# Altium PCB 左手键盘1.PcbDoc (part 1 of 2)
Units mm, origin at the board's own origin, x right, y up, seen from the top; angles counter-clockwise.
Board outline 400.53 x 130.06 mm, 2 copper layers (Top Layer, Bottom Layer); 131 components, 148 nets, 1503 pads, 606 vias.
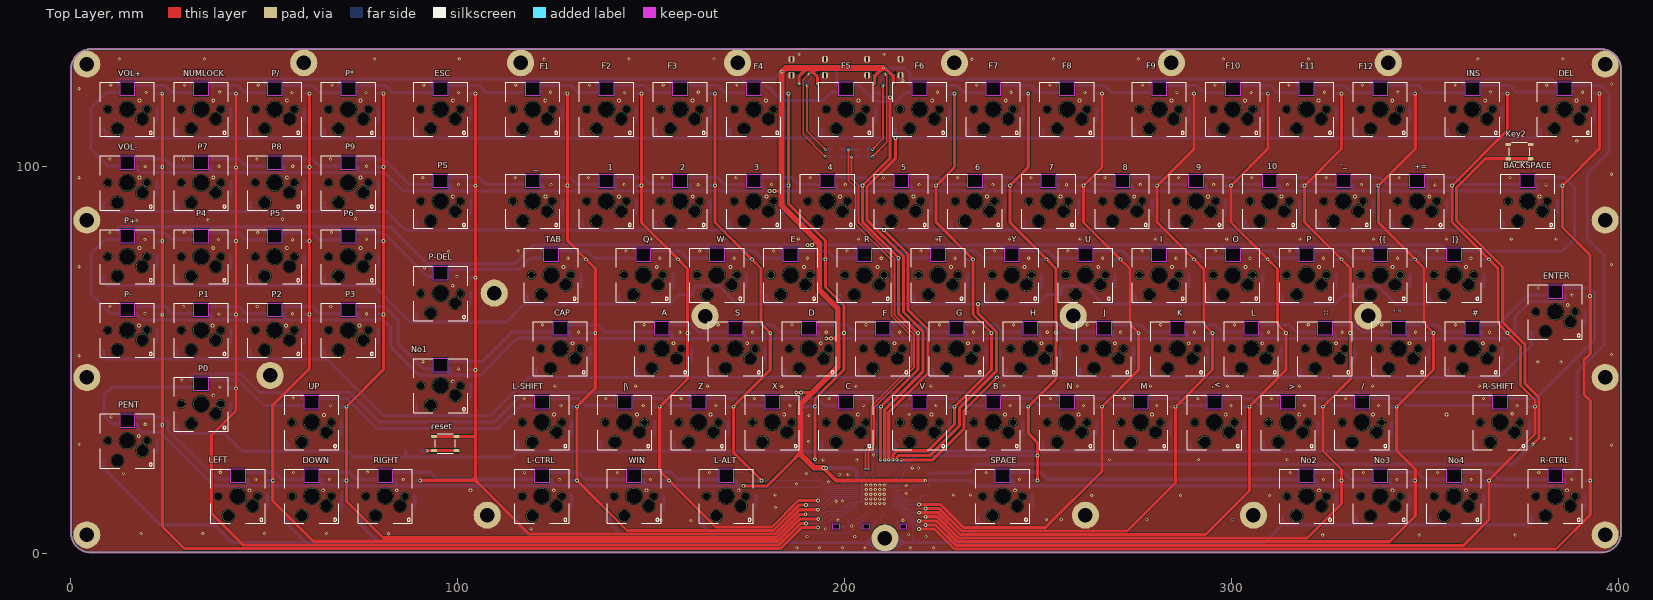
[diagram p0: Top Layer view]
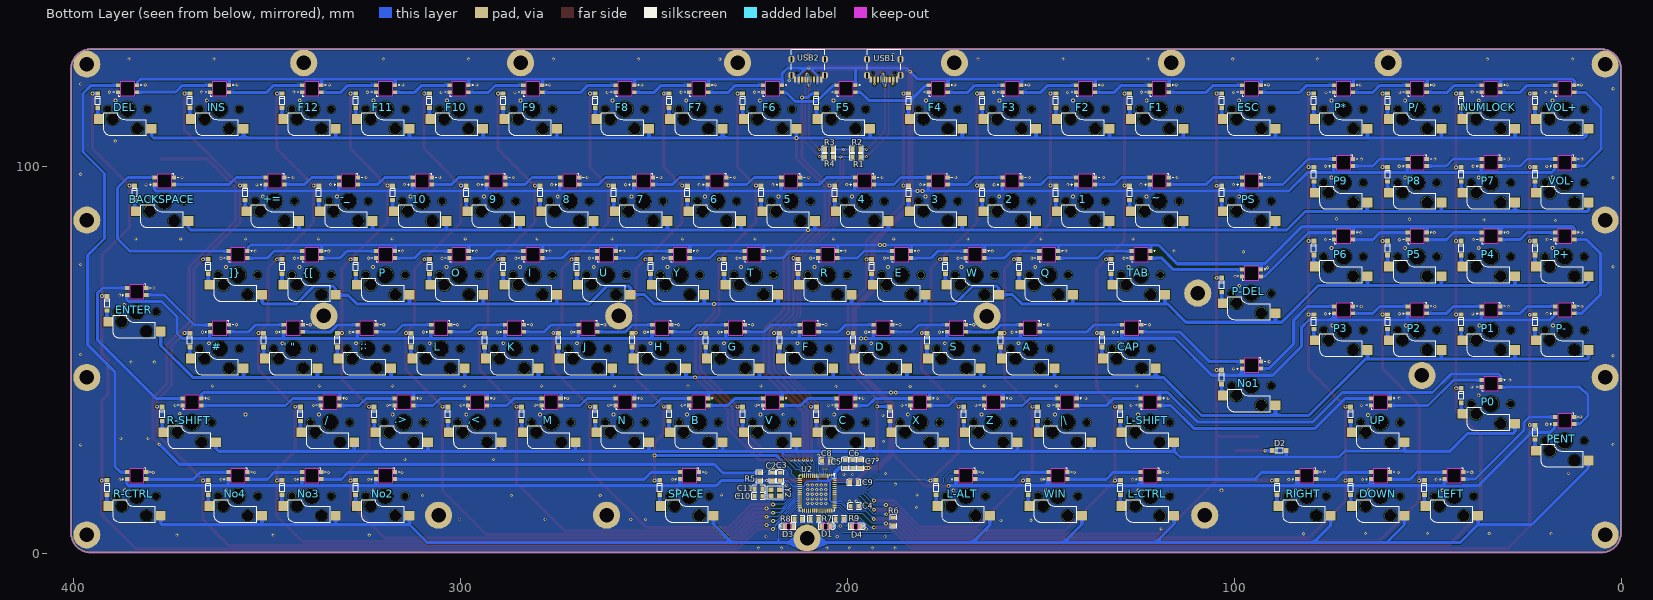
[diagram p1: Bottom Layer view, seen from below]

## Layer stack, top to bottom
Top Solder: solder mask 0.0102, Solder Resist, Dk 3.5
Top Layer: signal copper 0.0356
Dielectric 1: dielectric 0.32, FR-4, Dk 4.8
Bottom Layer: signal copper 0.0356
Bottom Solder: solder mask 0.0102, Solder Resist, Dk 3.5

## Board outline
0.734,2.946 0.571,3.303 0.434,3.671 0.328,4.05 0.251,4.435 0.205,4.825 0.189,5.217 0.19,125.28 0.205,125.672 0.251,126.063 0.328,126.447 0.434,126.826 0.571,127.194 0.734,127.55 0.926,127.892 1.144,128.219 1.386,128.528 1.654,128.816 1.942,129.083 2.25,129.326 2.577,129.543 2.92,129.735 3.276,129.899 3.644,130.036 4.022,130.141 4.407,130.219 4.797,130.264 5.19,130.281 395.714,130.279 396.106,130.264 396.498,130.219 396.882,130.141 397.26,130.036 397.63,129.899 397.983,129.735 398.328,129.543 398.653,129.326 398.963,129.083 399.249,128.816 399.517,128.528 399.761,128.219 399.979,127.892 400.17,127.55 400.336,127.194 400.47,126.826 400.576,126.447 400.653,126.063 400.699,125.672 400.717,125.28 400.717,5.217 400.699,4.825 400.653,4.435 400.576,4.05 400.47,3.671 400.336,3.303 400.17,2.946 399.979,2.604 399.761,2.278 399.517,1.969 399.249,1.68 398.963,1.414 398.653,1.171 398.328,0.954 397.983,0.762 397.63,0.598 397.26,0.462 396.882,0.354 396.498,0.278 396.106,0.232 395.714,0.216 5.19,0.216 4.797,0.232 4.407,0.278 4.022,0.354 3.644,0.462 3.276,0.598 2.92,0.762 2.577,0.954 2.25,1.171 1.942,1.414 1.654,1.68 1.386,1.969 1.144,2.278 0.926,2.604
cut-out: 214.476,6.226 214.476,7.626 216.076,7.626 216.076,6.226
cut-out: 204.887,6.228 204.887,7.628 206.487,7.628 206.487,6.228
cut-out: 197.075,6.228 197.075,7.628 198.675,7.628 198.675,6.228
cut-out: 384.318,118.22 384.318,121.82 388.018,121.82 388.018,118.22
cut-out: 360.519,118.22 360.519,121.82 364.219,121.82 364.219,118.22
cut-out: 336.706,118.22 336.706,121.82 340.406,121.82 340.406,118.22
cut-out: 317.643,118.22 317.643,121.82 321.343,121.82 321.343,118.22
cut-out: 298.606,118.22 298.606,121.82 302.306,121.82 302.306,118.22
cut-out: 279.556,118.22 279.556,121.82 283.256,121.82 283.256,118.22
cut-out: 374.793,94.407 374.793,98.007 378.493,98.007 378.493,94.407
cut-out: 346.218,94.407 346.218,98.007 349.918,98.007 349.918,94.407
cut-out: 327.168,94.407 327.168,98.007 330.868,98.007 330.868,94.407
cut-out: 308.118,94.407 308.118,98.007 311.818,98.007 311.818,94.407
cut-out: 289.081,94.407 289.081,98.007 292.781,98.007 292.781,94.407
cut-out: 355.756,75.357 355.756,78.957 359.456,78.957 359.456,75.357
cut-out: 336.706,75.357 336.706,78.957 340.406,78.957 340.406,75.357
cut-out: 317.643,75.357 317.643,78.957 321.343,78.957 321.343,75.357
cut-out: 298.593,75.357 298.593,78.957 302.293,78.957 302.293,75.357
cut-out: 381.944,65.832 381.944,69.432 385.644,69.432 385.644,65.832
cut-out: 360.519,56.307 360.519,59.907 364.219,59.907 364.219,56.307
cut-out: 341.456,56.307 341.456,59.907 345.156,59.907 345.156,56.307
cut-out: 322.406,56.307 322.406,59.907 326.106,59.907 326.106,56.307
cut-out: 303.356,56.307 303.356,59.907 307.056,59.907 307.056,56.307
cut-out: 367.656,37.257 367.656,40.857 371.356,40.857 371.356,37.257
cut-out: 331.944,37.257 331.944,40.857 335.644,40.857 335.644,37.257
cut-out: 312.881,37.257 312.881,40.857 316.581,40.857 316.581,37.257
cut-out: 293.831,37.257 293.831,40.857 297.531,40.857 297.531,37.257
cut-out: 381.944,18.207 381.944,21.807 385.644,21.807 385.644,18.207
cut-out: 355.756,18.207 355.756,21.807 359.456,21.807 359.456,18.207
cut-out: 336.706,18.207 336.706,21.807 340.406,21.807 340.406,18.207
cut-out: 317.656,18.207 317.656,21.807 321.356,21.807 321.356,18.207
cut-out: 239.069,18.207 239.069,21.807 242.769,21.807 242.769,18.207
cut-out: 274.781,37.257 274.781,40.857 278.481,40.857 278.481,37.257
cut-out: 255.731,37.257 255.731,40.857 259.431,40.857 259.431,37.257
cut-out: 236.686,37.257 236.686,40.857 240.386,40.857 240.386,37.257
cut-out: 217.631,37.257 217.631,40.857 221.331,40.857 221.331,37.257
cut-out: 198.594,37.257 198.594,40.857 202.294,40.857 202.294,37.257
cut-out: 284.306,56.307 284.306,59.907 288.006,59.907 288.006,56.307
cut-out: 265.256,56.307 265.256,59.907 268.956,59.907 268.956,56.307
cut-out: 246.206,56.307 246.206,59.907 249.906,59.907 249.906,56.307
cut-out: 227.169,56.307 227.169,59.907 230.869,59.907 230.869,56.307
cut-out: 208.106,56.307 208.106,59.907 211.806,59.907 211.806,56.307
cut-out: 189.056,56.307 189.056,59.907 192.756,59.907 192.756,56.307
cut-out: 279.543,75.357 279.543,78.957 283.243,78.957 283.243,75.357
cut-out: 260.493,75.357 260.493,78.957 264.193,78.957 264.193,75.357
cut-out: 241.456,75.357 241.456,78.957 245.156,78.957 245.156,75.357
cut-out: 222.406,75.357 222.406,78.957 226.106,78.957 226.106,75.357
cut-out: 203.343,75.357 203.343,78.957 207.043,78.957 207.043,75.357
cut-out: 270.018,94.407 270.018,98.007 273.718,98.007 273.718,94.407
cut-out: 250.968,94.407 250.968,98.007 254.668,98.007 254.668,94.407
cut-out: 231.918,94.407 231.918,98.007 235.618,98.007 235.618,94.407
cut-out: 212.868,94.407 212.868,98.007 216.568,98.007 216.568,94.407
cut-out: 193.818,94.407 193.818,98.007 197.518,98.007 197.518,94.407
cut-out: 255.731,118.22 255.731,121.82 259.431,121.82 259.431,118.22
cut-out: 236.681,118.22 236.681,121.82 240.381,121.82 240.381,118.22
cut-out: 217.631,118.22 217.631,121.82 221.331,121.82 221.331,118.22
cut-out: 198.581,118.22 198.581,121.82 202.281,121.82 202.281,118.22
cut-out: 184.293,75.357 184.293,78.957 187.993,78.957 187.993,75.357
cut-out: 165.243,75.357 165.243,78.957 168.943,78.957 168.943,75.357
cut-out: 146.193,75.357 146.193,78.957 149.893,78.957 149.893,75.357
cut-out: 122.381,75.357 122.381,78.957 126.081,78.957 126.081,75.357
cut-out: 174.768,94.407 174.768,98.007 178.468,98.007 178.468,94.407
cut-out: 155.731,94.407 155.731,98.007 159.431,98.007 159.431,94.407
cut-out: 136.681,94.407 136.681,98.007 140.381,98.007 140.381,94.407
cut-out: 117.618,94.407 117.618,98.007 121.318,98.007 121.318,94.407
cut-out: 174.768,118.22 174.768,121.82 178.468,121.82 178.468,118.22
cut-out: 155.731,118.22 155.731,121.82 159.431,121.82 159.431,118.22
cut-out: 136.681,118.22 136.681,121.82 140.381,121.82 140.381,118.22
cut-out: 117.618,118.22 117.618,121.82 121.318,121.82 121.318,118.22
cut-out: 93.806,118.22 93.806,121.82 97.506,121.82 97.506,118.22
cut-out: 93.806,94.407 93.806,98.007 97.506,98.007 97.506,94.407
cut-out: 93.806,70.595 93.806,74.195 97.506,74.195 97.506,70.595
cut-out: 167.631,18.207 167.631,21.807 171.331,21.807 171.331,18.207
cut-out: 143.819,18.207 143.819,21.807 147.519,21.807 147.519,18.207
cut-out: 120.006,18.207 120.006,21.807 123.706,21.807 123.706,18.207
cut-out: 179.531,37.257 179.531,40.857 183.231,40.857 183.231,37.257
cut-out: 160.481,37.257 160.481,40.857 164.181,40.857 164.181,37.257
cut-out: 141.431,37.257 141.431,40.857 145.131,40.857 145.131,37.257
cut-out: 120.004,37.258 120.004,40.858 123.704,40.858 123.704,37.258
cut-out: 170.006,56.307 170.006,59.907 173.706,59.907 173.706,56.307
cut-out: 150.969,56.307 150.969,59.907 154.669,59.907 154.669,56.307
cut-out: 124.769,56.307 124.769,59.907 128.469,59.907 128.469,56.307
cut-out: 93.811,46.782 93.811,50.382 97.511,50.382 97.511,46.782
cut-out: 79.518,18.207 79.518,21.807 83.218,21.807 83.218,18.207
cut-out: 60.468,37.257 60.468,40.857 64.168,40.857 64.168,37.257
cut-out: 31.893,42.02 31.893,45.62 35.593,45.62 35.593,42.02
cut-out: 12.843,32.495 12.843,36.095 16.543,36.095 16.543,32.495
cut-out: 69.993,61.07 69.993,64.67 73.693,64.67 73.693,61.07
cut-out: 50.943,61.07 50.943,64.67 54.643,64.67 54.643,61.07
cut-out: 31.893,61.07 31.893,64.67 35.593,64.67 35.593,61.07
cut-out: 12.843,61.07 12.843,64.67 16.543,64.67 16.543,61.07
cut-out: 69.993,80.12 69.993,83.72 73.693,83.72 73.693,80.12
cut-out: 50.943,80.12 50.943,83.72 54.643,83.72 54.643,80.12
cut-out: 31.893,80.12 31.893,83.72 35.593,83.72 35.593,80.12
cut-out: 12.843,80.12 12.843,83.72 16.543,83.72 16.543,80.12
cut-out: 69.993,99.17 69.993,102.77 73.693,102.77 73.693,99.17
cut-out: 50.943,99.17 50.943,102.77 54.643,102.77 54.643,99.17
cut-out: 31.893,99.17 31.893,102.77 35.593,102.77 35.593,99.17
cut-out: 12.843,99.17 12.843,102.77 16.543,102.77 16.543,99.17
cut-out: 117.618,118.22 117.618,121.82 121.318,121.82 121.318,118.22
cut-out: 93.806,118.22 93.806,121.82 97.506,121.82 97.506,118.22
cut-out: 70.006,118.22 70.006,121.82 73.706,121.82 73.706,118.22
cut-out: 50.943,118.22 50.943,121.82 54.643,121.82 54.643,118.22
cut-out: 31.893,118.22 31.893,121.82 35.593,121.82 35.593,118.22
cut-out: 12.843,118.22 12.843,121.82 16.543,121.82 16.543,118.22
cut-out: 41.425,18.208 41.425,21.808 45.125,21.808 45.125,18.208
cut-out: 60.481,18.207 60.481,21.807 64.181,21.807 64.181,18.207

## Design rules (kind name [scope] priority, off if disabled: settings)
Clearance [All] p1: gap=0.254 ignorepadtopadclearanceinfootprint=FALSE except(0: Arc-Text Arc-Hole Track-Text Track-Hole SMDPad-Text SMDPad-Hole THPad-Text THPad-Hole Via-Text Via-Hole Fill-Text Fill-Hole Poly-Text Poly-Hole Region-Text Region-Hole Text-Text Text-Hole; 0.127: Arc-Arc Arc-Track Arc-SMDPad Arc-THPad Arc-Via Track-Track Track-SMDPad Track-THPad Track-Via; 0.2: Arc-Fill Arc-Poly Arc-Region Track-Fill Track-Poly Track-Region SMDPad-Fill SMDPad-Poly SMDPad-Region)
PlaneConnect [All] p1: planeconnectstyle=Direct reliefexpansion=0.508 reliefentries=4 reliefconductorwidth=0.254 reliefairgap=0.254
PolygonConnect [All] p1: connectstyle=Direct reliefconductorwidth=0.508 reliefentries=4 polygonreliefangle="90 Angle" airgapwidth=0.254
RoutingVias [All] p1: holewidth=0.5 width=1 viastyle="Through Hole" minholewidth=0.127 minwidth=0.508 maxholewidth=0.508 maxwidth=1.27
SolderMaskExpansion [All] p1: expansion=0.102 istentingtop=FALSE
UnRoutedNet [All] p1: checkbadconnections=TRUE
Width [All] p1: maxlimit=50 minlimit=0.254 preferedwidth=0.3
28 further rules are at their usual default settings.

## Components (designator, comment, footprint, x,y, rotation, side; value= is the part's Value field where it differs from the comment)
1 "mx轴总成" MX-ZC-FAN 138.595,90.957 r0 top locked
2 "mx轴总成" MX-ZC-FAN 157.645,90.957 r0 top locked
3 "mx轴总成" MX-ZC-FAN 176.682,90.957 r0 top locked
4 "mx轴总成" MX-ZC-FAN 195.732,90.957 r0 top locked
5 "mx轴总成" MX-ZC-FAN 214.782,90.957 r0 top locked
6 "mx轴总成" MX-ZC-FAN 233.832,90.957 r0 top locked
7 "mx轴总成" MX-ZC-FAN 252.882,90.957 r0 top locked
8 "mx轴总成" MX-ZC-FAN 271.932,90.957 r0 top locked
9 "mx轴总成" MX-ZC-FAN 290.995,90.957 r0 top locked
10 "mx轴总成" MX-ZC-FAN 310.032,90.957 r0 top locked
# "mx轴总成" MX-ZC-FAN 362.433,52.857 r0 top locked
"' \"" "mx轴总成" MX-ZC-FAN 343.37,52.857 r0 top locked
+= "mx轴总成" MX-ZC-FAN 348.132,90.957 r0 top locked
,< "mx轴总成" MX-ZC-ZHENG 295.745,33.807 r0 top locked
-_ "mx轴总成" MX-ZC-FAN 329.082,90.957 r0 top locked
.> "mx轴总成" MX-ZC-ZHENG 314.795,33.807 r0 top locked
/ "mx轴总成" MX-ZC-ZHENG 333.858,33.807 r0 top locked
;: "mx轴总成" MX-ZC-FAN 324.32,52.857 r0 top locked
]} "mx轴总成" MX-ZC-ZHENG 357.67,71.907 r0 top locked
A "mx轴总成" MX-ZC-FAN 152.883,52.857 r0 top locked
B "mx轴总成" MX-ZC-ZHENG 238.6,33.807 r0 top locked
BACKSPACE "mx轴总成" MX-ZC-FAN 376.707,90.957 r0 top locked
C "mx轴总成" MX-ZC-ZHENG 200.508,33.807 r0 top locked
C2 "100nF" C0805 219.408,19.821 r90 bottom locked
C3 "100nF" C0805 217.429,19.822 r90 bottom
C4 "100nF" C0805 198.257,12.167 r180 bottom
C5 "100nF" C0805 200.66,23.064 r90 bottom
C6 "100nF" C0805 198.699,23.064 r90 bottom
C7 "1uF" C0805 196.738,23.064 r90 bottom
C8 "1uF" C0805 205.632,23.909 r180 bottom
C9 "0.1uF" C0805 198.404,18.324 r0 bottom locked
C10 "22pF (220) 5% 50V" C0805 223.083,14.751 r0 bottom locked
C11 "22pF (220) 5% 50V" C0805 223.083,16.661 r0 bottom locked
CAP "mx轴总成" MX-ZC-FAN 126.682,52.857 r0 top locked
D "mx轴总成" MX-ZC-FAN 190.97,52.857 r0 top locked
D1 "LED1" LED0805背开孔 205.682,6.929 r0 bottom
D2 "LL4148 LL-34 1206" 4148 86.624,26.517 r90 bottom
D3 "LED1" LED0805背开孔 215.279,6.929 r180 bottom
D4 "LED1" LED0805背开孔 197.876,6.929 r0 bottom
DEL "mx轴总成" MX-ZC-ZHENG 386.232,114.77 r0 top locked
DOWN "mx轴总成" MX-ZC-FAN 62.395,14.757 r0 top locked
E "mx轴总成" MX-ZC-ZHENG 186.207,71.907 r0 top locked
ENTER "mx轴总成" MX-ZC-FAN 383.857,62.382 r0 top locked
ESC "mx轴总成" MX-ZC-ZHENG 95.72,114.77 r0 top locked
F "mx轴总成" MX-ZC-FAN 210.02,52.857 r0 top locked
F1 "mx轴总成" MX-ZC-ZHENG 119.532,114.77 r0 top locked
F2 "mx轴总成" MX-ZC-ZHENG 138.595,114.77 r0 top locked
F3 "mx轴总成" MX-ZC-ZHENG 157.645,114.77 r0 top locked
F4 "mx轴总成" MX-ZC-ZHENG 176.682,114.77 r0 top locked
F5 "mx轴总成" MX-ZC-ZHENG 200.495,114.77 r0 top locked
F6 "mx轴总成" MX-ZC-ZHENG 219.545,114.77 r0 top locked
F7 "mx轴总成" MX-ZC-ZHENG 238.595,114.77 r0 top locked
F8 "mx轴总成" MX-ZC-ZHENG 257.645,114.77 r0 top locked
F9 "mx轴总成" MX-ZC-ZHENG 281.47,114.77 r0 top locked
F10 "mx轴总成" MX-ZC-ZHENG 300.52,114.77 r0 top locked
F11 "mx轴总成" MX-ZC-ZHENG 319.557,114.77 r0 top locked
F12 "mx轴总成" MX-ZC-ZHENG 338.62,114.77 r0 top locked
G "mx轴总成" MX-ZC-FAN 229.083,52.857 r0 top locked
H "mx轴总成" MX-ZC-FAN 248.12,52.857 r0 top locked
I "mx轴总成" MX-ZC-ZHENG 281.457,71.907 r0 top locked
INS "mx轴总成" MX-ZC-ZHENG 362.433,114.77 r0 top locked
J "mx轴总成" MX-ZC-FAN 267.17,52.857 r0 top locked
K "mx轴总成" MX-ZC-FAN 286.22,52.857 r0 top locked
Key2 "KEY-SMD_4P-L4.2-W3.2-P2.20-LS4.6" KEY-4P-5*5MM 371.424,105.669 r0 top locked
L "mx轴总成" MX-ZC-FAN 305.27,52.857 r0 top locked
L-ALT "mx轴总成" MX-ZC-FAN 169.545,14.757 r0 top locked
L-CTRL "mx轴总成" MX-ZC-FAN 121.92,14.757 r0 top locked
L-SHIFT "mx轴总成" MX-ZC-ZHENG 121.918,33.808 r0 top locked
LEFT "mx轴总成" MX-ZC-FAN 43.339,14.758 r0 top locked
M "mx轴总成" MX-ZC-ZHENG 276.695,33.807 r0 top locked
N "mx轴总成" MX-ZC-ZHENG 257.645,33.807 r0 top locked
No1 "mx轴总成" MX-ZC-FAN 95.725,43.332 r0 top locked
No2 "mx轴总成" MX-ZC-FAN 319.57,14.757 r0 top locked
No3 "mx轴总成" MX-ZC-FAN 338.62,14.757 r0 top locked
No4 "mx轴总成" MX-ZC-FAN 357.67,14.757 r0 top locked
NUMLOCK "mx轴总成" MX-ZC-ZHENG 33.807,114.77 r0 top locked
O "mx轴总成" MX-ZC-ZHENG 300.507,71.907 r0 top locked
P "mx轴总成" MX-ZC-ZHENG 319.557,71.907 r0 top locked
P0 "mx轴总成" MX-ZC-ZHENG 33.807,38.57 r0 top locked
P1 "mx轴总成" MX-ZC-FAN 33.807,57.62 r0 top locked
P2 "mx轴总成" MX-ZC-FAN 52.857,57.62 r0 top locked
P3 "mx轴总成" MX-ZC-FAN 71.907,57.62 r0 top locked
P4 "mx轴总成" MX-ZC-ZHENG 33.807,76.67 r0 top locked
P5 "mx轴总成" MX-ZC-ZHENG 52.857,76.67 r0 top locked
P6 "mx轴总成" MX-ZC-ZHENG 71.907,76.67 r0 top locked
P7 "mx轴总成" MX-ZC-FAN 33.807,95.72 r0 top locked
P8 "mx轴总成" MX-ZC-FAN 52.857,95.72 r0 top locked
P9 "mx轴总成" MX-ZC-FAN 71.907,95.72 r0 top locked
P* "mx轴总成" MX-ZC-ZHENG 71.92,114.77 r0 top locked
P+ "mx轴总成" MX-ZC-ZHENG 14.757,76.67 r0 top locked
P- "mx轴总成" MX-ZC-FAN 14.757,57.62 r0 top locked
P-DEL "mx轴总成" MX-ZC-ZHENG 95.72,67.145 r0 top locked
P/ "mx轴总成" MX-ZC-ZHENG 52.857,114.77 r0 top locked
PENT "mx轴总成" MX-ZC-FAN 14.757,29.045 r0 top locked
PS "mx轴总成" MX-ZC-FAN 95.72,90.957 r0 top locked
Q "mx轴总成" MX-ZC-ZHENG 148.107,71.907 r0 top locked
R "mx轴总成" MX-ZC-ZHENG 205.257,71.907 r0 top locked
R1 "22Ω" R0805 197.752,102.476 r180 bottom locked
R2 "22Ω" R0805 197.752,104.394 r180 bottom locked
R3 "22Ω" R0805 204.854,102.476 r0 bottom locked
R4 "22Ω" R0805 204.854,104.394 r0 bottom locked
R5 "12k" R0805 222.748,19.776 r90 bottom
R6 "12k" R0805 188.163,8.189 r270 bottom locked
R7 "1K" R0805 208.625,8.87 r0 bottom
R8 "1K" R0805 212.79,8.87 r180 bottom
R9 "1K" R0805 202.113,8.867 r0 bottom
R-CTRL "mx轴总成" MX-ZC-FAN 383.857,14.757 r0 top locked
R-SHIFT "mx轴总成" MX-ZC-ZHENG 369.57,33.807 r0 top locked
reset "KEY-SMD_4P-L4.2-W3.2-P2.20-LS4.6" KEY-4P-5*5MM 93.745,30.217 r0 top (schematic designator Key1)
RIGHT "mx轴总成" MX-ZC-FAN 81.432,14.757 r0 top locked
S "mx轴总成" MX-ZC-FAN 171.92,52.857 r0 top locked
SPACE "mx轴总成" MX-ZC-FAN 240.982,14.757 r0 top locked
T "mx轴总成" MX-ZC-ZHENG 224.32,71.907 r0 top locked
TAB "mx轴总成" MX-ZC-ZHENG 124.295,71.907 r0 top locked
U "mx轴总成" MX-ZC-ZHENG 262.407,71.907 r0 top locked
U2 "AT90USB1286-TENSY++(TQFP)" "QFN64 9X9_M" 207.902,15.512 r0 bottom locked
UP "mx轴总成" MX-ZC-ZHENG 62.382,33.807 r0 top locked
USB1 "usb-TYPE-C16PIN" USB-C-SMD_TYPE-C16PIN 190.675,125.318 r0 bottom locked
USB2 "usb-TYPE-C16PIN" USB-C-SMD_TYPE-C16PIN 210.238,125.318 r0 bottom locked
V "mx轴总成" MX-ZC-ZHENG 219.545,33.807 r0 top locked
VOL+ "mx轴总成" MX-ZC-ZHENG 14.757,114.77 r0 top locked
VOL- "mx轴总成" MX-ZC-FAN 14.757,95.72 r0 top locked
W "mx轴总成" MX-ZC-ZHENG 167.157,71.907 r0 top locked
WIN "mx轴总成" MX-ZC-FAN 145.732,14.757 r0 top locked
X "mx轴总成" MX-ZC-ZHENG 181.445,33.807 r0 top locked
Y "mx轴总成" MX-ZC-ZHENG 243.37,71.907 r0 top locked
Y2 "16MHZ 9PF 10PPM" SMD-3225_4P 218.73,15.637 r0 bottom locked
Z "mx轴总成" MX-ZC-ZHENG 162.395,33.807 r0 top locked
{[ "mx轴总成" MX-ZC-ZHENG 338.62,71.907 r0 top locked
|\ "mx轴总成" MX-ZC-ZHENG 143.345,33.807 r0 top locked
~ "mx轴总成" MX-ZC-FAN 119.532,90.957 r0 top locked

## Footprints (in the part's own frame and the unit in brackets; to place one, negate y for a bottom-side part, rotate by r counter-clockwise, add the part's x,y. Pads: shape width x height; smd on the part's side, far side on the other; paste and mask are expansions set on the pad)
4148 [mm]
  rect 1.27x1.118 smd: 1(-0.01,3.729) 2(-0.01,0.02)
  silkscreen extent -0.65,0.85 0.64,2.89, body extent -0.76,0.14 0.74,3.64, height 1.55
C0805 [mm]
  rect 1x1.25 smd: 1(1,0) 2(-1,0)
  silkscreen extent -1.73,-0.86 1.74,0.86, body extent -1,-0.62 1,0.63, height 0.78
KEY-4P-5*5MM [mm] "贴片轻触开关"
  rrect50% 1.5x0.8 smd: 1(0.21,-0.01) 2(6.01,-0.01) 3(0.21,-3.71) 4(6.01,-3.71)
  silkscreen extent 0.51,-4.35 5.71,0.61, body extent -0.09,-4.42 6.31,0.68, height 1.5
LED0805背开孔 [mm]
  rect 1.2x1.25 smd: 1(1.05,0) 2(-1.05,0)
  silkscreen extent -2.41,-0.82 1.87,0.82, body extent -1,-0.63 1,0.62, height 0.61
MX-ZC-FAN [mm]
  rect 1.2x1 smd far side: 1(2.336,4.4) 2(2.336,6.2) 3(-2.464,6.2) 4(-2.464,4.4)
  rect 1.27x1.118 smd far side: 5(7.62,4.069) ""(7.62,0.36)
  rect 2.55x2.499 smd far side: 6(-6.286,-5.08) ""(7.302,-2.54)
  round 1.905 hole 1.905 unplated: ""(-5.143,0) ""(5.016,0)
  round 3 hole 3 unplated: ""(-2.603,-5.08) ""(3.746,-2.54)
  round 4 hole 4 unplated: ""(-0.064,0)
  Bottom Layer lines w0.762: 7.62,-3.142 7.62,0.36
  silkscreen extent -7.05,-7.01 6.95,6.98, body extent -7.86,-7.79 8.37,7.81, height 14.9
MX-ZC-ZHENG [mm]
  rect 1.2x1 smd far side: 1(-2.464,6.2) 2(-2.464,4.4) 3(2.336,4.4) 4(2.336,6.2)
  rect 1.27x1.118 smd far side: 5(7.62,4.069) ""(7.62,0.36)
  rect 2.55x2.499 smd far side mask+0.102: 6(-6.286,-5.08)
  round 1.905 hole 1.905 unplated: ""(-5.143,0) ""(5.016,0)
  round 3 hole 3 unplated: ""(-2.603,-5.08) ""(3.746,-2.54)
  round 4 hole 4 unplated: ""(-0.064,0)
  rect 2.55x2.499 smd far side: ""(7.302,-2.54)
  Bottom Layer lines w0.762: 7.607,-3.091 7.607,0.297
  silkscreen extent -7.05,-7.01 6.95,6.99, body extent -7.83,-7.83 8.37,7.77, height 14.9
"QFN64 9X9_M" [mm] "64脚，长x宽x高：9x9x1mm，脚距：0.5mm"
  oval 0.3x0.7 smd: 1(-3.75,-4.7) 2(-3.25,-4.7)
  oval 0.3x1.1 smd: 3(-2.75,-4.5) 4(-2.25,-4.5) 5(-1.75,-4.5) 6(-1.25,-4.5) 7(-0.75,-4.5) 8(-0.25,-4.5) 9(0.25,-4.5) 10(0.75,-4.5) 11(1.25,-4.5) 12(1.75,-4.5) 13(2.25,-4.5) 14(2.75,-4.5) 15(3.25,-4.5) 16(3.75,-4.5) 33(3.75,4.5) 34(3.25,4.5) 35(2.75,4.5) 36(2.25,4.5) 37(1.75,4.5) 38(1.25,4.5) 39(0.75,4.5) 40(0.25,4.5) 41(-0.25,4.5) 42(-0.75,4.5) 43(-1.25,4.5) 44(-1.75,4.5) 45(-2.25,4.5) 46(-2.75,4.5) 47(-3.25,4.5) 48(-3.75,4.5)
  oval 1.1x0.3 smd: 17(4.5,-3.75) 18(4.5,-3.25) 19(4.5,-2.75) 20(4.5,-2.25) 21(4.5,-1.75) 22(4.5,-1.25) 23(4.5,-0.75) 24(4.5,-0.25) 25(4.5,0.25) 26(4.5,0.75) 27(4.5,1.25) 28(4.5,1.75) 29(4.5,2.25) 30(4.5,2.75) 31(4.5,3.25) 32(4.5,3.75) 49(-4.5,3.75) 50(-4.5,3.25) 51(-4.5,2.75) 52(-4.5,2.25) 53(-4.5,1.75) 54(-4.5,1.25) 55(-4.5,0.75) 56(-4.5,0.25) 57(-4.5,-0.25) 58(-4.5,-0.75) 59(-4.5,-1.25) 60(-4.5,-1.75) 61(-4.5,-2.25) 62(-4.5,-2.75) 64(-4.5,-3.75)
  oval 0.9x0.3 smd: 63(-4.6,-3.25)
  silkscreen extent -4.6,-5.2 4.6,4.6, body extent -4.51,-4.51 4.51,4.51, height 0.95
R0805 [mm]
  rect 1x1.25 smd: 1(1,0) 2(-1,0)
  silkscreen extent -1.72,-0.84 1.72,0.84, body extent -1,-0.62 1,0.63, height 0.49
SMD-3225_4P [mm]
  rect 1.4x1.15 smd: 1(-1.1,-0.8) 2(1.1,-0.8) 3(1.1,0.8) 4(-1.1,0.8)
  silkscreen extent -2.1,-2.35 2.1,1.7, body extent -1.6,-1.25 1.6,1.25, height 0.61
USB-C-SMD_TYPE-C16PIN [mm]
  rrect50% 1.5x1.6 hole 0.4 slot 1.4 at 90 deg: 1(-4.32,1.787) 2(4.32,1.787)
  rrect50% 1.5x1.6 hole 0.4 slot 1.3 at 90 deg: 3(-4.32,-2.362) 4(4.32,-2.362)
  rrect50% 0.6x1.5 smd: A1B12(-3.4,2.9) A4B9(-2.4,2.9) A8(-1.5,2.9) B1A12(3.4,2.9) B4A9(2.4,2.9) B8(1.5,2.9)
  rrect50% 0.3x1.5 smd: A6(-0.25,2.9) A7(0.25,2.9) B6(0.75,2.9) B7(-0.75,2.9)
  round 0.65 hole 0.65 unplated: ""(-2.89,1.288) ""(2.89,1.288)
  silkscreen extent -4.32,-4.83 4.32,0.38, body extent -4.47,-4.95 4.47,2.95, height 3.25
